# Altium PCB Enigma Rev B.PcbDoc (part 1 of 8) (continued)
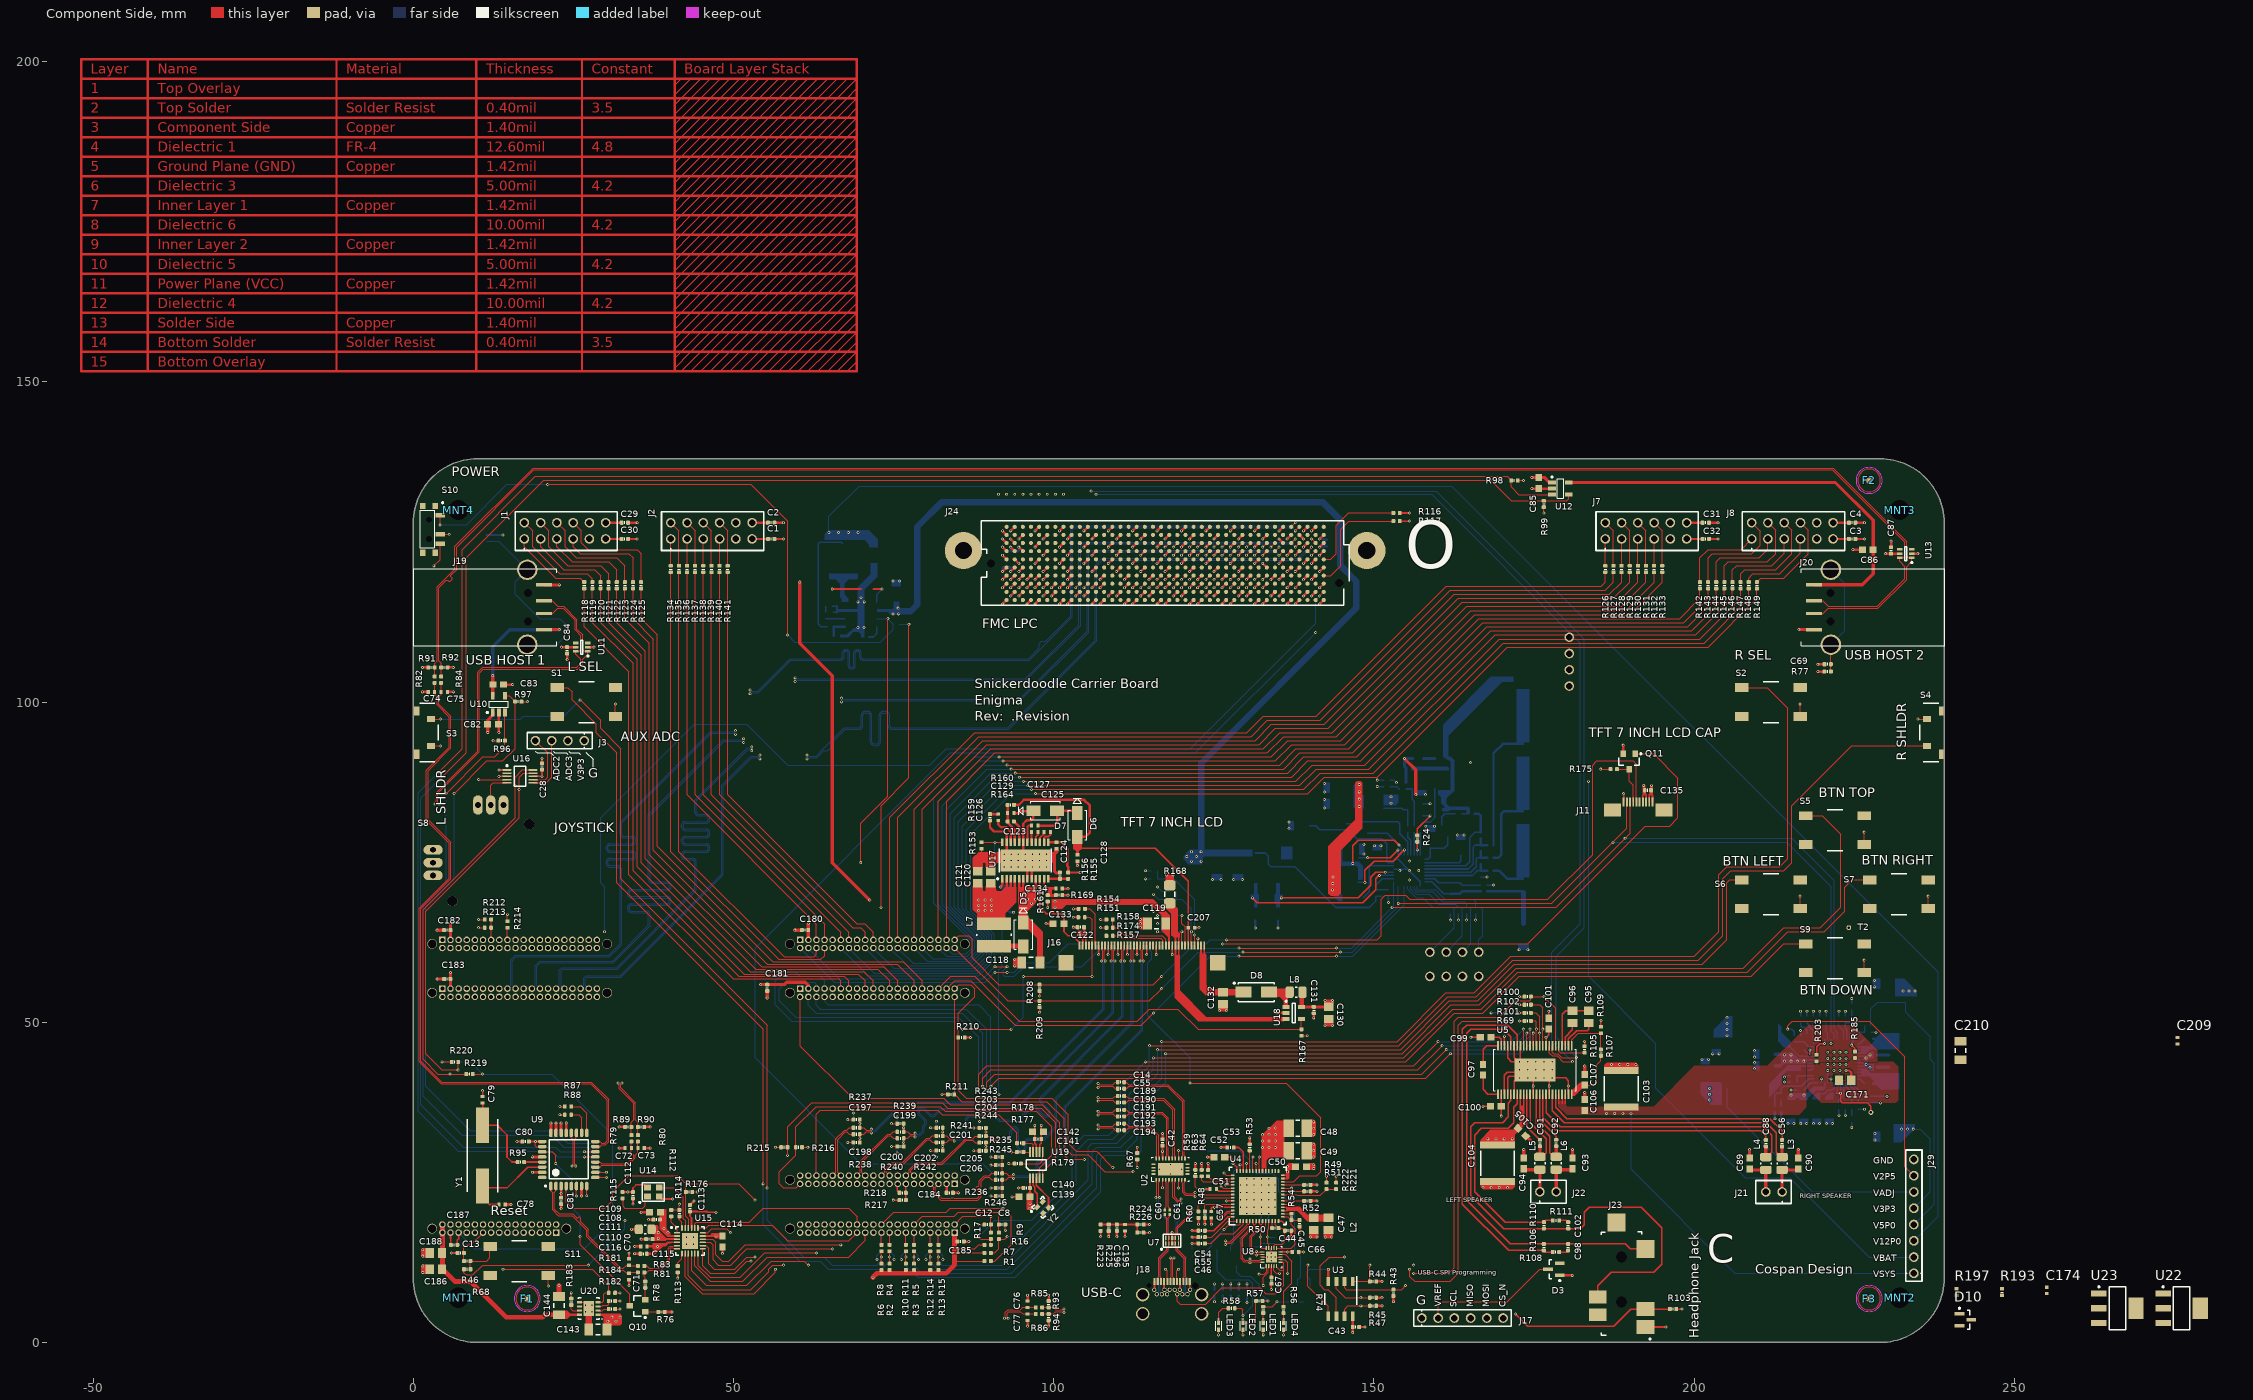
[diagram p0: Component Side view]
## Components (designator, comment, footprint, x,y, rotation, side; value= is the part's Value field where it differs from the comment) (continued)
C152 "C_0805_22µF_35V" C_ERA-0805 228.62,43.919 r90 bottom
C153 "10µF" C_ERA-0805 230.444,32.131 r0 bottom
C154 "C_0402_3.3nF_50V" C_ERA-0402 224.62,34.919 r90 bottom
C155 "C_0402_36pF" C_0402 223.62,36.919 r90 bottom
C156 "C_0402_68nF" C_0402 222.62,36.919 r90 bottom
C157 "0.1uF" C_0402 217.27,42.519 r0 bottom
C158 "C_0805_22µF_35V" C_ERA-0805 211.67,45.019 r0 bottom
C159 "10µF" C_ERA-0805 201.774,41.981 r270 bottom
C160 "C_0402_3.3nF_50V" C_ERA-0402 213.62,36.419 r90 bottom
C161 "12pF" C_ERA-0402 212.62,36.419 r90 bottom
C162 "C_0402_68nF" C_0402 216.62,39.419 r0 bottom
C163 "0.1uF" C_0402 217.12,45.219 r90 bottom
C164 "C_0805_22µF_35V" C_ERA-0805 211.67,43.219 r0 bottom
C165 "10µF" C_ERA-0805 203.454,47.31 r90 bottom
C166 "C_0402_3.3nF_50V" C_ERA-0402 216.62,50.419 r270 bottom
C167 "47pF" C_0402 217.62,50.419 r270 bottom
C168 "C_0402_68nF" C_0402 218.62,50.419 r270 bottom
C169 "C_0805_22µF_35V" C_ERA-0805 215.12,36.419 r90 bottom
C170 "C_0805_22µF_35V" C_ERA-0805 217.12,36.419 r90 bottom
C171 "4.7µF" C_ERA-0805 223.57,40.919 r180 top
C172 "4.7µF" C_ERA-0805 221.12,36.419 r90 bottom
C173 "4.7µF" C_ERA-0805 219.12,36.419 r90 bottom
C174 "1.0uF" C_ERA-0402 255.064,8.128 r90 top
C180 "0.1uF" C_0402 61.161,64.389 r0 top
C181 "0.1uF" C_0402 55.245,55.38 r90 top
C182 "0.1uF" C_0402 5.281,64.389 r0 top
C183 "0.1uF" C_0402 5.281,56.769 r0 top
C184 "0.1uF" C_0402 83.751,23.368 r180 top
C185 "0.1uF" C_0402 85.463,15.748 r180 top
C186 "C_0805_22µF_35V" C_ERA-0805 3.495,11.43 r0 top
C187 "0.1uF" C_0402 6.35,15.24 r0 top
C188 "C_0805_22µF_35V" C_ERA-0805 3.495,13.97 r0 top
C189 "0.1uF" C_0402 110.49,38.481 r0 top
C190 "0.1uF" C_0402 110.49,37.465 r0 top
C191 "0.1uF" C_0402 110.49,36.322 r0 top
C192 "0.1uF" C_0402 110.49,35.306 r0 top
C193 "0.1uF" C_0402 110.49,34.163 r0 top
C194 "0.1uF" C_0402 110.49,33.147 r0 top
C195 "1.0uF" C_ERA-0402 111.125,17.915 r90 top
C196 "0.1uF" C_0402 109.855,17.915 r90 top
C197 "0.1uF" C_0402 69.207,33.528 r180 top
C198 "0.1uF" C_0402 69.207,32.512 r180 top
C199 "0.1uF" C_0402 76.065,32.893 r180 top
C200 "0.1uF" C_0402 76.065,31.877 r180 top
C201 "0.1uF" C_0402 82.161,32.258 r180 top
C202 "0.1uF" C_0402 82.161,31.242 r180 top
C203 "0.1uF" C_0402 88.892,32.22 r180 top
C204 "0.1uF" C_0402 88.892,31.204 r180 top
C205 "0.1uF" C_0402 91.432,26.416 r180 top
C206 "0.1uF" C_0402 91.432,25.4 r180 top
C207 "C_0402_0.22UF_50V" C_ERA-0402 121.5,64.77 r0 top
C209 "1.0uF" C_ERA-0402 275.511,47.117 r90 top
C210 "10µF" CAP-1206 241.602,45.593 r90 top
D1 "BAT54" SOT23 161.544,79.883 r270 bottom
D2 "BAT54" SOT23 144.78,81.026 r0 bottom
D3 "BZX84C16-7-F" SOT23 178.09,11.43 r180 top
D4 "D_SCHOTT_30V_2A_XDFN" DSN2_0603 130.175,7.615 r270 bottom
D5 "D_B340A-13-F" SMA 95.25,63.703 r270 top
D6 "D_B340A-13-F" SMA 103.685,80.801 r270 top
D7 "D_B340A-13-F" SMA 98.679,83.058 r0 top
D8 "B1100-13-F" DIOM5226X23L 131.635,54.705 r0 top
D10 "BAT54" SOT23 242.364,3.556 r0 top
F1 "Fudicial" "FIDUCIAL ROUND" 17.78,6.858 r0 top locked
F2 "Fudicial" "FIDUCIAL ROUND" 227.33,134.62 r0 top locked
F3 "Fudicial" "FIDUCIAL ROUND" 227.33,6.858 r0 top locked
J1 "PMOD" PMOD 17.32,125.476 r0 top locked
J2 "PMOD" PMOD 40.18,125.476 r0 top locked
J3 "J_HDR1X4_THRHOLE_VERT_FEMALE" HDR_1X4_FEMALE 26.67,93.98 r180 top
J4 "J_SNICKERDOODLE_JA1" TFM12001-X-D-A 72.456,62.23 r0 bottom locked
J5 "J_SNICKERDOODLE_JA2" TFM12001-X-D-A 72.456,54.61 r0 bottom locked
J6 "J_SNICKERDOODLE_JB1" TFM12001-X-D-A 16.576,62.23 r0 bottom locked
J7 "PMOD" PMOD 186.137,125.476 r0 top locked
J8 "PMOD" PMOD 208.997,125.476 r0 top locked
J9 "J_HDR1X4_THRHOLE_VERT" HDR_1X4 166.37,60.96 r180 bottom
J10 "J_SNICKERDOODLE_JB2" TFM12001-X-D-A 16.576,54.61 r0 bottom locked
J11 "J_FFC_CONN_RA_10PIN" ER-CON10HT-1_BTM 191.25,85.09 r0 top locked
J12 "J_HDR1X4_THRHOLE_VERT" HDR_1X4 180.509,102.51 r90 bottom
J13 "J_LIPO_BAT_CONNECTOR" HDR_1X2_LIPO_BATTERY 180.509,92.477 r90 bottom
J14 "J_LIPO_BAT_CONNECTOR" HDR_1X2_LIPO_BATTERY 180.509,81.952 r90 bottom
J15 "J_LIPO_BAT_CONNECTOR" HDR_1X2_LIPO_BATTERY 180.509,71.429 r90 bottom
J16 "J_FFC_CONN_RA_40PIN" ER-CON40HT-1_BTM 113.75,62.59 r0 top locked
J17 "J_HDR1X6_THRHOLE_VERT" HDR_1X6 157.48,3.81 r0 top
J18 "J_DX07S024XJ1R1100" DX07S024XJ1R1100 114.887,8.865 r0 top
J19 "J_USB_A" USB_A 17.78,114.816 r270 top
J20 "J_USB_A" USB_A 221.361,114.816 r90 top
J21 "J_HDR1X2_JUMPER" HDR_1X2 213.741,23.495 r180 top
J22 "J_HDR1X2_JUMPER" HDR_1X2 175.923,23.53 r0 top
J23 "Headphone Jack" HEADPHONE_JACK 193.755,1.813 r90 top
J24 "ASP-134486-01" BTB-SM1-27-2V400F 117.396,121.666 r0 top locked
J25 "J_SNICKERDOODLE_JC1" TFM12001-X-D-A 72.456,25.4 r180 bottom locked
J26 "J_SNICKERDOODLE_J3" TFM12001-X-D-A 72.456,17.78 r180 bottom locked
J27 "J_SNICKERDOODLE_J2" TFM11501-X-D-A 13.401,17.78 r180 bottom locked
J28 "J_HDR1X4_THRHOLE_VERT" HDR_1X4 166.37,57.15 r180 bottom
J29 "J_HDR1X8_THRHOLE_VERT_RECPT" "HDR_1X8 - FEMALE" 234.315,10.795 r90 top
L1 "L_IHLP2020BZER2R2M11" IHLP-2020BZ 140.084,76.479 r0 bottom
L2 "L_FB_21OHM_100MHZ" C_ERA-0805 142.9,18.5 r90 top
L3 "CBC2016T220K" L_0806 213.741,27.94 r90 top
L4 "CBC2016T220K" L_0806 211.201,27.94 r90 top
L5 "CBC2016T220K" L_0806 175.923,27.975 r90 top
L6 "CBC2016T220K" L_0806 178.463,27.975 r90 top
L7 "4.7uH" INDP744042006 90.678,63.627 r270 top
L8 "CBC2016T220K" L_0806 137.835,54.705 r0 top
L9 "L_MPLC0730L4R7" KEM_L9004_MPLC 233.045,50.194 r270 bottom
L10 "L_MPLC0730L4R7" KEM_L9004_MPLC 232.791,37.973 r90 bottom
L11 "L_MPLC0730L4R7" KEM_L9004_MPLC 207.772,38.735 r0 bottom
L12 "L_MPLC0730L4R7" KEM_L9004_MPLC 209.804,49.276 r0 bottom
LED1 "LED_GRN_0402" DIOM1005X07L_GREEN 132.715,2.54 r270 top
LED2 "LED_BLUE_0402" DIOM1005X07L_BLUE 129.54,2.54 r270 top
LED3 "LED_ORN_0402" DIOM1005X07L_ORANGE 125.73,2.54 r270 top
LED4 "LED_RED_0402" DIOM1005X07L_RED 135.89,2.54 r270 top
MNT1 "Mounting Hole" MNT_4-40 7,7 r0 top
MNT2 "Mounting Hole" MNT_4-40 232.141,7 r0 top
MNT3 "Mounting Hole" MNT_4-40 232.141,130 r0 top
MNT4 "Mounting Hole" MNT_4-40 7,130 r0 top locked
Q1 "N-Channel Nex_FET" "Q_TDSON-8 NexFET" 160.496,87.864 r90 bottom
Q2 "N-Channel Nex_FET" "Q_TDSON-8 NexFET" 156.946,87.864 r90 bottom
Q3 "NFET" SOT-23A 156.471,83.179 r90 bottom
Q4 "N-Channel Nex_FET" "Q_TDSON-8 NexFET" 150.076,84.404 r180 bottom
Q5 "N-Channel Nex_FET" "Q_TDSON-8 NexFET" 146.071,72.829 r180 bottom
Q6 "N-Channel Nex_FET" "Q_TDSON-8 NexFET" 146.111,76.679 r180 bottom
Q7 "NFET" SOT-23A 139.065,7.55 r180 bottom
Q8 "NFET" SOT-23A 128.6,13.15 r180 bottom
Q9 "NFET" SOT-23A 124.3,14.5 r270 bottom
Q10 "NPN" SOT-23A 34.982,5.715 r270 top
Q11 "NFET" SOT-23A 189.865,90.735 r0 top
R1 "R_0402_10.0K" R_0402 89.67,12.7 r0 top
R2 "R_0402_100K" R_0402 74.361,11.803 r90 top
R3 "R_0402_100K" R_0402 78.171,11.803 r90 top
R4 "R_0402_10.0K" R_0402 74.361,14.74 r270 top
R5 "R_0402_10.0K" R_0402 78.171,14.74 r270 top
R6 "R_0402_100K" R_0402 73.091,11.803 r90 top
R7 "R_0402_100K" R_0402 89.67,13.97 r0 top
R8 "R_0402_10.0K" R_0402 73.091,14.74 r270 top
R9 "R_0402_10.0K" R_0402 91.44,16.645 r270 top
R10 "R_0402_100K" R_0402 76.901,11.803 r90 top
R11 "R_0402_10.0K" R_0402 76.901,14.74 r270 top
R12 "R_0402_100K" R_0402 80.711,11.803 r90 top
R13 "R_0402_100K" R_0402 81.981,11.803 r90 top
R14 "R_0402_10.0K" R_0402 80.711,14.74 r270 top
R15 "R_0402_10.0K" R_0402 81.981,14.74 r270 top
R16 "R_0402_100K" R_0402 89.67,15.24 r0 top
R17 "R_0402_10.0K" R_0402 90.17,16.645 r270 top
R18 "R_0402_10M" R_0402 160.021,83.179 r180 bottom
R19 "R_0402_10M" R_0402 155.021,86.929 r270 bottom
R20 "R_0402_10.0" R_0402 163.195,82.55 r180 bottom
R21 "R_0402_100.0" R_0402 165.227,82.55 r0 bottom
R22 "5.11k Ohms" R_0402 157.271,80.179 r270 bottom
R23 "5.11k Ohms" R_0402 156.271,80.179 r270 bottom
R24 "R_0402_10.0K" R_0402 156.771,78.679 r270 top
R25 "R_0402_100.0" R_0402 168.176,77.679 r180 bottom
R26 "R_0402_10M" R_0402 153.921,83.929 r270 bottom
R27 "R_0402_100.0K" R_0402 152.021,87.81 r180 bottom
R28 "1.0 Ohms" R_0402 153.921,85.929 r90 bottom
R29 "R_0402_100.0" R_0402 168.176,75.679 r180 bottom
R30 "5.11k Ohms" R_0402 155.271,80.179 r90 bottom
R31 "R_0402_100.0" R_0402 168.176,73.679 r180 bottom
R32 "R_1206_10" R_1206 146.921,69.429 r180 bottom
R33 "0.0 Ohms" R_0402 167.156,70.429 r0 bottom
R34 "R_1206_0.005" R_1206 173.355,64.005 r270 bottom
R35 "0.0 Ohms" R_0402 167.156,71.429 r0 bottom
R36 "0.01 OHM" R_LVK25_0.003 133.271,74.279 r0 bottom
R37 "R_0402_330K" R_0402 151.271,70.179 r90 bottom
R38 "R_0402_NTC_10.0K" R_0402 165.862,67.445 r270 bottom
R39 "R_0402_NTC_10.0K" R_0402 164.465,67.445 r270 bottom
R40 "R_0402_NTC_10.0K" R_0402 163.195,67.445 r270 bottom
R41 "R_0402_NTC_10.0K" R_0402 161.925,67.445 r270 bottom
R42 "R_0402_35.7K" R_0402 152.271,70.179 r270 bottom
R43 "3.3k Ohms" R_0402 153.035,7.755 r90 top
R44 "3.3k Ohms" R_0402 149.86,9.525 r180 top
R45 "3.3k Ohms" R_0402 149.86,6.985 r180 top
R46 "R_0402_10.0K" R_0402 8.39,12.7 r0 top
R47 "3.3k Ohms" R_0402 149.86,5.715 r180 top
R48 "R_0402_15.0K" R_0402 123.6,19.95 r90 top
R49 "1.0M Ohms" R_0402 139.6,24.6 r180 top
R50 "0.0 Ohms" R_0402 134.6,17.85 r0 top
R51 "1.0M Ohms" R_0402 139.6,23.6 r180 top
R52 "1.0M Ohms" R_0402 139.6,22.1 r180 top
R53 "1.0M Ohms" R_0402 130.6,30.45 r270 top
R54 "0.0 Ohms" R_0402 137.1,19.6 r270 top
R55 "1.0M Ohms" R_0402 123.1,16.45 r0 top
R56 "1.0k Ohms" R_0402 132.715,5.08 r90 top
R57 "1.0k Ohms" R_0402 132.088,6.477 r0 top
R58 "1.0k Ohms" R_0402 127.762,5.334 r0 top
R59 "3.3k Ohms" R_0402 122.1,26.45 r270 top
R60 "R_0402_100K" R_0402 122.6,19.95 r90 top
R61 "1.0M Ohms" R_0402 139.6,24.6 r0 bottom
R62 "R_0402_10.0K" R_0402 139.065,10.287 r0 bottom
R63 "R_0402_10.0K" R_0402 123.1,26.45 r270 top
R64 "R_0402_10.0K" R_0402 124.1,26.45 r270 top
R65 "1.0M Ohms" R_0402 135.1,15.45 r180 bottom
R66 "1.0M Ohms" R_0402 135.1,16.45 r180 bottom
R67 "R_0402_10.0K" R_0402 113.03,29.075 r270 top
R68 "R_0402_100K" R_0402 8.39,11.43 r0 top
R69 "R_0402_10.0K" R_0402 174.018,50.2 r0 top
R70 "R_0402_10.0K" R_0402 128.6,16.45 r0 bottom
R71 "1.0M Ohms" R_0402 132.3,18.45 r90 bottom
R72 "1.0M Ohms" R_0402 133.4,18.45 r90 bottom
R73 "R_0402_10.0K" R_0402 121.6,14.05 r90 bottom
R74 "1.0k Ohms" R_0402 135.89,5.08 r90 top
R75 "1.0M Ohms" R_0402 11.43,125.595 r90 bottom
R76 "R_0402_15.0K" R_0402 38.727,4.765 r0 top
R77 "1.0M Ohms" R_0402 220.861,104.775 r180 top
R78 "R_0402_15.0K" R_0402 36.195,9.025 r90 top
R79 "R_0402_30" R_0402 34.036,31.869 r90 top
R80 "R_0402_30" R_0402 35.052,31.869 r90 top
R81 "R_0402_30" R_0402 35.56,10.922 r180 top
R82 "R_0402_30" R_0402 3.302,103.505 r90 top
R83 "R_0402_30" R_0402 35.56,11.938 r180 top
R84 "R_0402_30" R_0402 4.318,103.505 r90 top
R85 "R_0402_30" R_0402 97.68,5.461 r0 top
R86 "R_0402_30" R_0402 97.68,4.445 r0 top
R87 "R_0402_10.0K" R_0402 24.13,36.83 r0 top
R88 "R_0402_10.0K" R_0402 24.13,35.56 r0 top
R89 "R_0402_15.0K" R_0402 33.536,33.655 r0 top
R90 "R_0402_15.0K" R_0402 35.552,33.655 r180 top
R91 "R_0402_15.0K" R_0402 2.802,105.41 r0 top
R92 "R_0402_15.0K" R_0402 4.818,105.41 r180 top
R93 "R_0402_15.0K" R_0402 99.205,5.961 r270 top
R94 "R_0402_15.0K" R_0402 99.205,3.945 r90 top
R95 "R_0402_15.0K" R_0402 16.772,28.175 r0 top
R96 "1.0k Ohms" R_0402 13.785,93.98 r180 top
R97 "R_0402_15.0K" R_0402 16.375,100.076 r0 top
R98 "1.0k Ohms" R_0402 171.95,134.62 r0 top
R99 "R_0402_15.0K" R_0402 176.53,130.945 r270 top
R100 "R_0402_10.0K" R_0402 174.018,54.01 r0 top
R101 "R_0402_10.0K" R_0402 174.018,51.47 r0 top
R102 "R_0402_10.0K" R_0402 174.018,52.74 r0 top
R103 "R_0402_10.0K" R_0402 196.715,5.213 r180 top
R104 "R_0402_10.0K" R_0402 169.883,51.47 r180 bottom
R105 "R_0402_10.0K" R_0402 182.908,45.755 r90 top
R106 "R_0402_10.0K" R_0402 176.53,14.873 r270 top
R107 "R_0402_68.1K" R_0402 185.448,45.255 r90 top
R108 "5.6k Ohms" R_0402 178.427,14.103 r180 top
R109 "18.0k Ohms" R_0402 185.448,48.795 r90 top
R110 "R_0402_10.0K" R_0402 176.538,18.28 r90 top
R111 "5.6k Ohms" R_0402 178.435,19.05 r180 top
R112 "0.0 Ohms" R_0402 40.259,20.185 r270 top
R113 "R_0402_100K" R_0402 41.275,11.438 r270 top
R114 "R_0402_8.06K" R_0402 41.529,20.185 r90 top
R115 "R_0402_100K" R_0402 32.647,22.987 r90 top
R116 "R_0402_10.0K" R_0402 153.535,129.54 r180 top
R117 "R_0402_10.0K" R_0402 153.535,128.27 r180 top
R118 "R_0402_200" R_0402 26.67,118.245 r90 top
R119 "R_0402_200" R_0402 27.94,118.245 r270 top
R120 "R_0402_200" R_0402 29.21,118.245 r90 top
R121 "R_0402_200" R_0402 30.48,118.245 r270 top
R122 "R_0402_200" R_0402 31.75,118.245 r90 top
R123 "R_0402_200" R_0402 33.02,118.245 r270 top
R124 "R_0402_200" R_0402 34.29,118.245 r90 top
R125 "R_0402_200" R_0402 35.56,118.245 r270 top
R126 "R_0402_200" R_0402 186.137,120.785 r90 top
R127 "R_0402_200" R_0402 187.407,120.785 r270 top
R128 "R_0402_200" R_0402 188.677,120.785 r90 top
R129 "R_0402_200" R_0402 189.947,120.785 r270 top
R130 "R_0402_200" R_0402 191.217,120.785 r90 top
R131 "R_0402_200" R_0402 192.487,120.785 r270 top
R132 "R_0402_200" R_0402 193.757,120.785 r90 top
R133 "R_0402_200" R_0402 195.027,120.785 r270 top
R134 "R_0402_200" R_0402 40.18,120.785 r90 top
R135 "R_0402_200" R_0402 41.45,120.785 r270 top
R136 "R_0402_200" R_0402 42.72,120.785 r90 top
R137 "R_0402_200" R_0402 43.99,120.785 r270 top
R138 "R_0402_200" R_0402 45.26,120.785 r90 top
R139 "R_0402_200" R_0402 46.53,120.785 r270 top
R140 "R_0402_200" R_0402 47.8,120.785 r90 top
R141 "R_0402_200" R_0402 49.07,120.785 r270 top
R142 "R_0402_200" R_0402 200.917,118.245 r90 top
R143 "R_0402_200" R_0402 202.187,118.245 r270 top
R144 "R_0402_200" R_0402 203.457,118.245 r90 top
R145 "R_0402_200" R_0402 204.727,118.245 r270 top
R146 "R_0402_200" R_0402 205.997,118.245 r90 top
R147 "R_0402_200" R_0402 207.267,118.245 r270 top
R148 "R_0402_200" R_0402 208.537,118.245 r90 top
R149 "R_0402_200" R_0402 209.807,118.245 r270 top
R150 "R_0402_412K" R_0402 93.845,69.215 r180 bottom
R151 "4.99k" R_0402 104.335,66.405 r0 top
R152 "56.2k" R_0402 92.71,68.072 r270 bottom
R153 "4.99k" R_0402 88.735,77.605 r90 top
R154 "R_0402_10.0K" R_0402 104.375,67.705 r0 top
R155 "R_0402_680K" R_0402 102.235,72.89 r270 top
R156 "R_0402_49.9K" R_0402 100.965,72.89 r90 top
R157 "R_0402_10.0K" R_0402 108.72,63.5 r0 top
R158 "1.0k Ohms" R_0402 108.72,66.04 r180 top
R159 "R_0402_15.0K" R_0402 90.035,82.005 r270 top
R160 "R_0402_200.0K" R_0402 93.285,83.955 r180 top
R161 "R_0402_732k" R_0402 99.06,69.35 r90 top
R162 "1.0k Ohms" R_0402 118.626,64.135 r180 bottom
R163 "R_0402_100K" R_0402 118.626,66.675 r0 bottom
R164 "R_0402_41.2K" R_0402 93.285,81.355 r0 top
R165 "R_0402_100K" R_0402 118.626,69.215 r0 bottom
R166 "R_0402_100K" R_0402 115.705,72.39 r0 bottom
R167 "4.99k" R_0402 138.685,48.395 r90 top
R168 "R_1206_2" R_1206 118.11,69.98 r90 top
R169 "R_0402_499k" R_0402 100.83,69.85 r0 top
R170 "1.0k Ohms" R_0402 115.705,73.66 r0 bottom
R171 "1.0k Ohms" R_0402 118.626,70.485 r0 bottom
R172 "1.0k Ohms" R_0402 118.626,67.945 r0 bottom
R173 "R_0402_100K" R_0402 118.626,65.405 r0 bottom
R174 "R_0402_100K" R_0402 108.72,64.77 r0 top
R175 "R_0402_10.0K" R_0402 187.46,89.535 r180 top
R176 "R_0402_10.0K" R_0402 43.045,23.495 r0 top
R177 "R_0402_33" R_0402 94.75,29.736 r180 top
R178 "R_0402_33" R_0402 94.75,31.115 r180 top
R179 "R_0402_33" R_0402 94.369,27.94 r180 top
R180 "R_0402_10.0K" R_0402 75.4,112.165 r0 bottom
R181 "R_0402_10.0K" R_0402 30.988,7.747 r0 top
R182 "R_0402_100K" R_0402 30.988,5.207 r180 top
R183 "R_0402_100K" R_0402 24.638,6.342 r270 top
R184 "110K" R_0402 30.988,6.477 r0 top
R185 "4.53k Ohms" R_0402 225.12,44.919 r90 top
R186 "R_0402_9.53K" R_0402 224.62,50.419 r90 bottom
R187 "R_0402_118K" R_0402 227.12,49.419 r180 bottom
R188 "R_0402_22.0K" R_0402 227.12,48.419 r0 bottom
R189 "R_0402_10.0K" R_0402 227.12,38.419 r180 bottom
R190 "R_0402_6.49k" R_0402 224.62,36.919 r90 bottom
R191 "R_0402_69.8K" R_0402 227.12,37.419 r180 bottom
R192 "R_0402_22.0K" R_0402 225.62,36.919 r270 bottom
R193 "R_0402_16.2K" R_0402 248.079,7.874 r90 top
R194 "R_0402_10.2k" R_0402 213.62,38.419 r90 bottom
R195 "R_0402_36.0K" R_0402 215.62,41.669 r0 bottom
R196 "R_0402_22.0K" R_0402 215.62,40.669 r180 bottom
R197 "R_0402_10.0K" R_0402 240.967,7.874 r90 top
R198 "R_0402_10.2k" R_0402 218.12,48.169 r0 bottom
R199 "R_0402_47.0K" R_0402 215.62,47.419 r270 bottom
R200 "R_0402_22.0K" R_0402 216.62,47.419 r90 bottom
R202 "R_0402_442k" R_0402 220.62,50.419 r90 bottom
R203 "R_0402_10.0K" R_0402 219.12,44.419 r90 top
R204 "R_0402_10.0K" R_0402 219.62,50.419 r270 bottom
R208 "2.2k Ohms" R_0402 97.79,55.38 r90 top
R209 "2.2k Ohms" R_0402 97.79,52.84 r90 top
R210 "2.2k Ohms" R_0402 85.59,47.625 r180 top
R211 "2.2k Ohms" R_0402 83.955,38.735 r0 top
R212 "R_0402_10.0K" R_0402 11.631,66.04 r0 top
R213 "R_0402_10.0K" R_0402 11.631,64.77 r0 top
R214 "R_0402_10.0K" R_0402 14.671,65.27 r90 top
R215 "2.2k Ohms" R_0402 57.92,30.48 r0 top
R216 "2.2k Ohms" R_0402 60.19,30.48 r180 top
R217 "R_0402_10.0K" R_0402 76.401,22.225 r180 top
R218 "R_0402_10.0K" R_0402 76.401,23.368 r0 top
R219 "2.2k Ohms" R_0402 8.755,41.91 r180 top
R220 "2.2k Ohms" R_0402 6.485,43.815 r0 top
R221 "R_0402_10.0K" R_0402 144.1,24.45 r90 top
R222 "R_0402_10.0K" R_0402 142.6,24.45 r90 top
R223 "R_0402_2.2K" R_0402 107.315,17.915 r90 top
R224 "R_0402_49.9" R_0402 113.53,18.415 r180 top
R225 "1.5k Ohms" R_0402 108.585,17.915 r270 top
R226 "R_0402_49.9" R_0402 113.53,17.145 r0 top
R227 "R_0402_10.0K" R_0402 69.207,34.798 r0 bottom
R228 "R_0402_10.0K" R_0402 69.207,31.242 r0 bottom
R229 "R_0402_10.0K" R_0402 76.049,34.163 r0 bottom
R230 "R_0402_10.0K" R_0402 76.049,30.607 r0 bottom
R231 "R_0402_10.0K" R_0402 82.161,33.528 r0 bottom
R232 "R_0402_10.0K" R_0402 82.161,29.972 r0 bottom
R233 "R_0402_10.0K" R_0402 88.892,33.49 r0 bottom
R234 "R_0402_10.0K" R_0402 88.892,29.934 r0 bottom
R235 "R_0402_10.0K" R_0402 91.448,28.956 r0 top
R236 "R_0402_10.0K" R_0402 91.448,24.13 r0 top
R237 "R_0402_10.0K" R_0402 69.207,34.798 r180 top
R238 "R_0402_10.0K" R_0402 69.207,31.242 r180 top
R239 "R_0402_10.0K" R_0402 76.049,34.163 r180 top
R240 "R_0402_10.0K" R_0402 76.049,30.607 r180 top
R241 "R_0402_10.0K" R_0402 82.161,33.528 r180 top
R242 "R_0402_10.0K" R_0402 82.161,29.972 r180 top
R243 "R_0402_10.0K" R_0402 88.892,33.49 r180 top
R244 "R_0402_10.0K" R_0402 88.892,29.934 r180 top
R245 "R_0402_10.0K" R_0402 91.448,27.686 r180 top
R246 "R_0402_10.0K" R_0402 91.448,22.86 r180 top
S1 "S_TACTILE_1571563_2_BUTTON" TACTILE_1571563_2 27,100 r0 top locked
S2 "S_TACTILE_1571563_2_BUTTON" TACTILE_1571563_2 212,100 r0 top locked
S3 "S_TACTILE_ RA_TL3330AF130QG_BUTTON" TL3330AF130QG 1.905,95.25 r270 top
S4 "S_TACTILE_ RA_TL3330AF130QG_BUTTON" TL3330AF130QG 237.236,95.25 r90 top
S5 "S_TACTILE_1571563_2_BUTTON" TACTILE_1571563_2 222,80 r0 top locked
S6 "S_TACTILE_1571563_2_BUTTON" TACTILE_1571563_2 212,70 r0 top locked
S7 "S_TACTILE_1571563_2_BUTTON" TACTILE_1571563_2 232,70 r0 top locked
S8 "S_JOYSTICK_ANALOG_XY" JOYSTICK_ANALOG_MINITHM 12.065,74.93 r0 top locked
S9 "S_TACTILE_1571563_2_BUTTON" TACTILE_1571563_2 222,60 r0 top locked
S10 "Micro Slide Switch" PCM_SMD_SWITCH 2.413,126.975 r270 top
S11 "S_TACTILE_1571563_2_BUTTON" TACTILE_1571563_2 16.51,12.7 r0 top
T1 "TEST_POINT_SMALL" TestPointSmall 227.62,35.919 r180 bottom
T2 "TEST_POINT_SMALL" TestPointSmall 224.155,64.77 r0 top
U1 "U_BQ40Z60RHBR" RHB0032E 155.521,73.679 r180 bottom locked
U2 "U_HD3SS460RHRR" RHR0028A 118.237,27.051 r90 top
U3 "U_W25Q80DVSNIG" "SOIC-8 - TI" 144.78,6.8 r270 top
U4 "PartNumber" RWE0056B 131.85,22.85 r90 top
U5 "U_TAS5760LDDCAR" DCA48_6P4X3P6 175.133,42.545 r270 top
U6 "USB_TVS" TVS_DIODE_USB3.0-10 118.491,15.875 r270 bottom
U7 "USB_TVS" TVS_DIODE_USB3.0-10 118.491,15.875 r90 top
U8 "U_TPD8S300RUK" RUK0020B 133.985,13.335 r90 top
U9 "U_TI-TUSB2036-LQFP_VF-32" VF32_L 24.257,28.575 r90 top
U10 "USB OVP/UVP" SOT95P280X90-5N 13.335,99.695 r90 top
U11 "USB TVS" SC70-LT6_N 26.289,108.585 r180 top
U12 "USB OVP/UVP" SOT95P280X90-5N 179.11,133.35 r0 top
U13 "USB TVS" SC70-LT6_N 233.045,123.19 r180 top
U14 "U_OSC_24MHZ_SMD_1.8V" KC2520B 37.465,23.495 r0 top
U15 "U_USB3315C" QFN50P400X400X100_HS-25N 43.18,15.875 r0 top
U16 "U_TI-ADS1015_1115-10" TI-DGS10_L 16.63,88.4 r0 top
U17 "U_TPS65105PWPR" PWP0024B_L 95.56,75.255 r90 top
U18 "U_LM3410XMFE" MF05A_N 137.485,51.455 r0 top
U19 "SI5351A-B-GT" SI5351 97.282,27.686 r90 top
U20 "U_FPF2700MPX" SON65P300X80_HS-9N 27.373,5.293 r180 top
U21 "U_TPS65400RGZR" RGZ0048B 222.12,43.919 r180 bottom
U22 "ADJ Regulator" SOT230P700X180-4N 276.146,5.334 r0 top
U23 "ADJ Regulator" SOT230P700X180-4N 266.113,5.334 r0 top
Y1 "6.00MHz Crystal" HC49 10.795,29.159 r270 top
Y2 "XRCGB27M000F2P00R0" XTAL_2.0X1.6MM 98.298,21.082 r315 top

## Footprints (in the part's own frame and the unit in brackets; to place one, negate y for a bottom-side part, rotate by r counter-clockwise, add the part's x,y. Pads: shape width x height; smd on the part's side, far side on the other; paste and mask are expansions set on the pad)
BTB-SM1-27-2V400F [mm] "Board-to-Board Connector, Vertical, 10-Row, Pitch 1.27mm, 400-Position, Female"
  round 0.64 smd: A1(24.765,-5.715) A2(23.495,-5.715) A3(22.225,-5.715) A4(20.955,-5.715) A5(19.685,-5.715) A6(18.415,-5.715) A7(17.145,-5.715) A8(15.875,-5.715) A9(14.605,-5.715) A10(13.335,-5.715) A11(12.065,-5.715) A12(10.795,-5.715) A13(9.525,-5.715) A14(8.255,-5.715) A15(6.985,-5.715) A16(5.715,-5.715) A17(4.445,-5.715) A18(3.175,-5.715) A19(1.905,-5.715) A20(0.635,-5.715) A21(-0.635,-5.715) A22(-1.905,-5.715) A23(-3.175,-5.715) A24(-4.445,-5.715) A25(-5.715,-5.715) A26(-6.985,-5.715) A27(-8.255,-5.715) A28(-9.525,-5.715) A29(-10.795,-5.715) A30(-12.065,-5.715) A31(-13.335,-5.715) A32(-14.605,-5.715) A33(-15.875,-5.715) A34(-17.145,-5.715) A35(-18.415,-5.715) A36(-19.685,-5.715) A37(-20.955,-5.715) A38(-22.225,-5.715) A39(-23.495,-5.715) A40(-24.765,-5.715) B1(24.765,-4.445) B2(23.495,-4.445) B3(22.225,-4.445) B4(20.955,-4.445) B5(19.685,-4.445) B6(18.415,-4.445) B7(17.145,-4.445) B8(15.875,-4.445) B9(14.605,-4.445) B10(13.335,-4.445) B11(12.065,-4.445) B12(10.795,-4.445) B13(9.525,-4.445) B14(8.255,-4.445) B15(6.985,-4.445) B16(5.715,-4.445) B17(4.445,-4.445) B18(3.175,-4.445) B19(1.905,-4.445) B20(0.635,-4.445) B21(-0.635,-4.445) B22(-1.905,-4.445) B23(-3.175,-4.445) B24(-4.445,-4.445) B25(-5.715,-4.445) B26(-6.985,-4.445) B27(-8.255,-4.445) B28(-9.525,-4.445) B29(-10.795,-4.445) B30(-12.065,-4.445) B31(-13.335,-4.445) B32(-14.605,-4.445) B33(-15.875,-4.445) B34(-17.145,-4.445) B35(-18.415,-4.445) B36(-19.685,-4.445) B37(-20.955,-4.445) B38(-22.225,-4.445) B39(-23.495,-4.445) B40(-24.765,-4.445) C1(24.765,-3.175) C2(23.495,-3.175) C3(22.225,-3.175) C4(20.955,-3.175) C5(19.685,-3.175) C6(18.415,-3.175) C7(17.145,-3.175) C8(15.875,-3.175) C9(14.605,-3.175) C10(13.335,-3.175) C11(12.065,-3.175) C12(10.795,-3.175) C13(9.525,-3.175) C14(8.255,-3.175) C15(6.985,-3.175) C16(5.715,-3.175) C17(4.445,-3.175) C18(3.175,-3.175) C19(1.905,-3.175) C20(0.635,-3.175) C21(-0.635,-3.175) C22(-1.905,-3.175) C23(-3.175,-3.175) C24(-4.445,-3.175) C25(-5.715,-3.175) C26(-6.985,-3.175) C27(-8.255,-3.175) C28(-9.525,-3.175) C29(-10.795,-3.175) C30(-12.065,-3.175) C31(-13.335,-3.175) C32(-14.605,-3.175) C33(-15.875,-3.175) C34(-17.145,-3.175) C35(-18.415,-3.175) C36(-19.685,-3.175) C37(-20.955,-3.175) C38(-22.225,-3.175) C39(-23.495,-3.175) C40(-24.765,-3.175) D1(24.765,-1.905) D2(23.495,-1.905) D3(22.225,-1.905) D4(20.955,-1.905) D5(19.685,-1.905) D6(18.415,-1.905) D7(17.145,-1.905) D8(15.875,-1.905) D9(14.605,-1.905) D10(13.335,-1.905) D11(12.065,-1.905) D12(10.795,-1.905) D13(9.525,-1.905) D14(8.255,-1.905) D15(6.985,-1.905) D16(5.715,-1.905) D17(4.445,-1.905) D18(3.175,-1.905) D19(1.905,-1.905) D20(0.635,-1.905) D21(-0.635,-1.905) D22(-1.905,-1.905) D23(-3.175,-1.905) D24(-4.445,-1.905) D25(-5.715,-1.905) D26(-6.985,-1.905) D27(-8.255,-1.905) D28(-9.525,-1.905) D29(-10.795,-1.905) D30(-12.065,-1.905) D31(-13.335,-1.905) D32(-14.605,-1.905) D33(-15.875,-1.905) D34(-17.145,-1.905) D35(-18.415,-1.905) D36(-19.685,-1.905) D37(-20.955,-1.905) D38(-22.225,-1.905) D39(-23.495,-1.905) D40(-24.765,-1.905) E1(24.765,-0.635) E2(23.495,-0.635) E3(22.225,-0.635) E4(20.955,-0.635) E5(19.685,-0.635) E6(18.415,-0.635) E7(17.145,-0.635) E8(15.875,-0.635) E9(14.605,-0.635) E10(13.335,-0.635) E11(12.065,-0.635) E12(10.795,-0.635) E13(9.525,-0.635) E14(8.255,-0.635) E15(6.985,-0.635) E16(5.715,-0.635) E17(4.445,-0.635) E18(3.175,-0.635) E19(1.905,-0.635) E20(0.635,-0.635) E21(-0.635,-0.635) E22(-1.905,-0.635) E23(-3.175,-0.635) E24(-4.445,-0.635) E25(-5.715,-0.635) E26(-6.985,-0.635) E27(-8.255,-0.635) E28(-9.525,-0.635) E29(-10.795,-0.635) E30(-12.065,-0.635) E31(-13.335,-0.635) E32(-14.605,-0.635) E33(-15.875,-0.635) E34(-17.145,-0.635) E35(-18.415,-0.635) E36(-19.685,-0.635) E37(-20.955,-0.635) E38(-22.225,-0.635) E39(-23.495,-0.635) E40(-24.765,-0.635) F1(24.765,0.635) F2(23.495,0.635) F3(22.225,0.635) F4(20.955,0.635) F5(19.685,0.635) F6(18.415,0.635) F7(17.145,0.635) F8(15.875,0.635) F9(14.605,0.635) F10(13.335,0.635) F11(12.065,0.635) F12(10.795,0.635) F13(9.525,0.635) F14(8.255,0.635) F15(6.985,0.635) F16(5.715,0.635) F17(4.445,0.635) F18(3.175,0.635) F19(1.905,0.635) F20(0.635,0.635) F21(-0.635,0.635) F22(-1.905,0.635) F23(-3.175,0.635) F24(-4.445,0.635) F25(-5.715,0.635) F26(-6.985,0.635) F27(-8.255,0.635) F28(-9.525,0.635) F29(-10.795,0.635) F30(-12.065,0.635) F31(-13.335,0.635) F32(-14.605,0.635) F33(-15.875,0.635) F34(-17.145,0.635) F35(-18.415,0.635) F36(-19.685,0.635) F37(-20.955,0.635) F38(-22.225,0.635) F39(-23.495,0.635) F40(-24.765,0.635) G1(24.765,1.905) G2(23.495,1.905) G3(22.225,1.905) G4(20.955,1.905) G5(19.685,1.905) G6(18.415,1.905) G7(17.145,1.905) G8(15.875,1.905) G9(14.605,1.905) G10(13.335,1.905) G11(12.065,1.905) G12(10.795,1.905) G13(9.525,1.905) G14(8.255,1.905) G15(6.985,1.905) G16(5.715,1.905) G17(4.445,1.905) G18(3.175,1.905) G19(1.905,1.905) G20(0.635,1.905) G21(-0.635,1.905) G22(-1.905,1.905) G23(-3.175,1.905) G24(-4.445,1.905) G25(-5.715,1.905) G26(-6.985,1.905) G27(-8.255,1.905) G28(-9.525,1.905) G29(-10.795,1.905) G30(-12.065,1.905) G31(-13.335,1.905) G32(-14.605,1.905) G33(-15.875,1.905) G34(-17.145,1.905) G35(-18.415,1.905) G36(-19.685,1.905) G37(-20.955,1.905) G38(-22.225,1.905) G39(-23.495,1.905) G40(-24.765,1.905) H1(24.765,3.175) H2(23.495,3.175) H3(22.225,3.175) H4(20.955,3.175) H5(19.685,3.175) H6(18.415,3.175) H7(17.145,3.175) H8(15.875,3.175) H9(14.605,3.175) H10(13.335,3.175) H11(12.065,3.175) H12(10.795,3.175) H13(9.525,3.175) H14(8.255,3.175) H15(6.985,3.175) H16(5.715,3.175) H17(4.445,3.175) H18(3.175,3.175) H19(1.905,3.175) H20(0.635,3.175) H21(-0.635,3.175) H22(-1.905,3.175) H23(-3.175,3.175) H24(-4.445,3.175) H25(-5.715,3.175) H26(-6.985,3.175) H27(-8.255,3.175) H28(-9.525,3.175) H29(-10.795,3.175) H30(-12.065,3.175) H31(-13.335,3.175) H32(-14.605,3.175) H33(-15.875,3.175) H34(-17.145,3.175) H35(-18.415,3.175) H36(-19.685,3.175) H37(-20.955,3.175) H38(-22.225,3.175) H39(-23.495,3.175) H40(-24.765,3.175) J1(24.765,4.445) J2(23.495,4.445) J3(22.225,4.445) J4(20.955,4.445) J5(19.685,4.445) J6(18.415,4.445) J7(17.145,4.445) J8(15.875,4.445) J9(14.605,4.445) J10(13.335,4.445) J11(12.065,4.445) J12(10.795,4.445) J13(9.525,4.445) J14(8.255,4.445) J15(6.985,4.445) J16(5.715,4.445) J17(4.445,4.445) J18(3.175,4.445) J19(1.905,4.445) J20(0.635,4.445) J21(-0.635,4.445) J22(-1.905,4.445) J23(-3.175,4.445) J24(-4.445,4.445) J25(-5.715,4.445) J26(-6.985,4.445) J27(-8.255,4.445) J28(-9.525,4.445) J29(-10.795,4.445) J30(-12.065,4.445) J31(-13.335,4.445) J32(-14.605,4.445) J33(-15.875,4.445) J34(-17.145,4.445) J35(-18.415,4.445) J36(-19.685,4.445) J37(-20.955,4.445) J38(-22.225,4.445) J39(-23.495,4.445) J40(-24.765,4.445) K1(24.765,5.715) K2(23.495,5.715) K3(22.225,5.715) K4(20.955,5.715) K5(19.685,5.715) K6(18.415,5.715) K7(17.145,5.715) K8(15.875,5.715) K9(14.605,5.715) K10(13.335,5.715) K11(12.065,5.715) K12(10.795,5.715) K13(9.525,5.715) K14(8.255,5.715) K15(6.985,5.715) K16(5.715,5.715) K17(4.445,5.715) K18(3.175,5.715) K19(1.905,5.715) K20(0.635,5.715) K21(-0.635,5.715) K22(-1.905,5.715) K23(-3.175,5.715) K24(-4.445,5.715) K25(-5.715,5.715) K26(-6.985,5.715) K27(-8.255,5.715) K28(-9.525,5.715) K29(-10.795,5.715) K30(-12.065,5.715) K31(-13.335,5.715) K32(-14.605,5.715) K33(-15.875,5.715) K34(-17.145,5.715) K35(-18.415,5.715) K36(-19.685,5.715) K37(-20.955,5.715) K38(-22.225,5.715) K39(-23.495,5.715) K40(-24.765,5.715)
  round 5.8 hole 2.7: M1(31.5,2) M3(-31.51,2)
  round 0.97 hole 1.27 unplated: MH1(-27.18,0) MH2(27.18,-3.05)
  silkscreen extent -28.73,-6.57 28.73,6.66, body extent -28.73,-6.58 28.73,6.66, height 6.55
C_14-1210 [mm]
  rect 1.6x2.7 smd: 1(-1.4,0) 2(1.4,0)
  silkscreen extent -0.3,-1.25 0.3,1.25, body extent -1.57,-1.25 1.63,1.25, height 2.5
C_0402 [mm] "Capacitor 0402"
  rrect50% 0.6x0.65 smd: 1(-0.5,0) 2(0.5,0)
  silkscreen extent 0,-0.2 0,0.2, body extent -0.5,-0.3 0.5,0.3, height 0.2
C_0805 [mm] "Capacitor 0805"
  rrect50% 1.3x1.5 smd: 1(-1,0) 2(1,0)
  silkscreen extent -0.15,-0.67 0.15,0.67, body extent -1,-0.62 1,0.63, height 0.59
C_ERA-0402 [mm]
  rect 0.5x0.6 smd: 1(-0.5,0) 2(0.5,0)
  body extent -0.5,-0.3 0.5,0.3, height 0.2
C_ERA-0603 [mm]
  rect 1.1x1 smd: 1(-0.85,0) 2(0.85,0)
  body extent -0.8,-0.4 0.8,0.4, height 0.3
C_ERA-0805 [mm]
  rect 1.3x1.5 smd: 1(-0.95,0) 2(0.95,0)
  body extent -0.94,-0.62 1.06,0.63, height 0.78
C_ERA-2220 [mm] "2220 SMD"
  rect 1.1x5.45 smd: 1(-2.85,0) 2(2.85,0)
  silkscreen extent -1.95,-2.62 1.95,2.63, body extent -3.05,-2.7 3.05,2.7, height 1.8
CAP-1206 [mm] "Chip Capacitor, 2-Leads, Body 1206, IPC Medium Density"
  rect 1.35x1.85 smd: 1(-1.425,0) 2(1.425,0)
  silkscreen extent -0.35,-0.82 0.35,0.82, body extent -1.7,-0.9 1.7,0.9, height 1.8
CAPC0201 [mm] "Chip Capacitor, Body 0.6x0.3mm, Height 0.33mm, IPC Medium Density"
  rrect50% 0.45x0.4 smd mask+0.064: 1(-0.35,0) 2(0.35,0)
  body extent -0.3,-0.15 0.3,0.15, height 0.29
DCA48_6P4X3P6 [mm]
  rect 1.461x0.27 smd mask+0.076: 1(-3.775,5.75) 2(-3.775,5.25) 3(-3.775,4.75) 4(-3.775,4.25) 5(-3.775,3.75) 6(-3.775,3.25) 7(-3.775,2.75) 8(-3.775,2.25) 9(-3.775,1.75) 10(-3.775,1.25) 11(-3.775,0.75) 12(-3.775,0.25) 13(-3.775,-0.25) 14(-3.775,-0.75) 15(-3.775,-1.25) 16(-3.775,-1.75) 17(-3.775,-2.25) 18(-3.775,-2.75) 19(-3.775,-3.25) 20(-3.775,-3.75) 21(-3.775,-4.25) 22(-3.775,-4.75) 23(-3.775,-5.25) 24(-3.775,-5.75) 25(3.775,-5.75) 26(3.775,-5.25) 27(3.775,-4.75) 28(3.775,-4.25) 29(3.775,-3.75) 30(3.775,-3.25) 31(3.775,-2.75) 32(3.775,-2.25) 33(3.775,-1.75) 34(3.775,-1.25) 35(3.775,-0.75) 36(3.775,-0.25) 37(3.775,0.25) 38(3.775,0.75) 39(3.775,1.25) 40(3.775,1.75) 41(3.775,2.25) 42(3.775,2.75) 43(3.775,3.25) 44(3.775,3.75) 45(3.775,4.25) 46(3.775,4.75) 47(3.775,5.25) 48(3.775,5.75)
  rect 3.6x6.4 smd paste-3.187 mask-3.188: EPAD(0,0)
  silkscreen extent -3.23,-6.43 3.23,6.43
DIOM1005X07L_BLUE [mm] "Molded Diode, 2-Leads, Body 1.0x0.5mm, IPC High Density"
  rect 0.7x0.5 smd: 1(0.55,0) 2(-0.55,0)
  silkscreen extent -1.15,-0.45 0.75,0.45, body extent -0.5,-0.25 0.51,0.25, height 0.45
DIOM1005X07L_GREEN [mm] "Molded Diode, 2-Leads, Body 1.0x0.5mm, IPC High Density"
  rect 0.7x0.5 smd: 1(0.55,0) 2(-0.55,0)
  silkscreen extent -1.15,-0.45 0.75,0.45, body extent -0.5,-0.25 0.51,0.25, height 0.45
DIOM1005X07L_ORANGE [mm] "Molded Diode, 2-Leads, Body 1.0x0.5mm, IPC High Density"
  rect 0.7x0.5 smd: 1(0.55,0) 2(-0.55,0)
  silkscreen extent -1.15,-0.45 0.75,0.45, body extent -0.5,-0.25 0.51,0.25, height 0.45
DIOM1005X07L_RED [mm] "Molded Diode, 2-Leads, Body 1.0x0.5mm, IPC High Density"
  rect 0.7x0.5 smd: 1(0.55,0) 2(-0.55,0)
  silkscreen extent -1.15,-0.45 0.75,0.45, body extent -0.5,-0.25 0.51,0.25, height 0.45
DIOM5226X23L [mm] "Molded Diode, 2-Leads, Body 5.2x2.6mm, IPC High Density"
  rect 2.5x1.7 smd: 1(2,0) 2(-2,0)
  silkscreen extent -3.57,-1.5 2.8,1.52, body extent -2.8,-1.46 2.79,1.46, height 2.3
DSN2_0603 [mm]
  rect 0.52x0.7 smd: 1(-0.64,0)
  rect 1.05x0.7 smd: 2(0.275,0)
  silkscreen extent -1.4,-0.75 0.8,0.75, body extent -0.8,-0.4 0.8,0.4, height 0.31
DX07S024XJ1R1100 [mm]
  rect 0.33x1.13 smd: A1(0.85,0.66) A2(1.35,0.66) A3(1.85,0.66) A4(2.35,0.66) A5(2.85,0.66) A6(3.35,0.66) A7(3.85,0.66) A8(4.35,0.66) A9(4.85,0.66) A10(5.35,0.66) A11(5.85,0.66) A12(6.35,0.66)
  round 0.65 hole 0.4: B1(6.4,-0.65) B2(6,-1.35) B3(5.2,-1.35) B4(4.8,-0.65) B5(4.4,-1.35) B6(4,-0.65) B7(3.2,-0.65) B8(2.8,-1.35) B9(2.4,-0.65) B10(2,-1.35) B11(1.2,-1.35) B12(0.8,-0.65)
  round 0 hole 0.8 unplated: M(0,0)
  round 0 hole 1 unplated: M(7.2,0)
  round 2.1 hole 1.6: M1(-1,-1.4) M2(8.2,-1.4) M3(-1,-4.4) M4(8.2,-4.4)
  body extent -1.09,-8.85 8.31,0.91, height 3.42
ER-CON10HT-1_BTM [mm]
  rect 0.3x1.4 smd: 1(-2.25,-0.7) 2(-1.75,-0.7) 3(-1.25,-0.7) 4(-0.75,-0.7) 5(-0.25,-0.7) 6(0.25,-0.7) 7(0.75,-0.7) 8(1.25,-0.7) 9(1.75,-0.7) 10(2.25,-0.7)
  rect 2.65x2 smd: M1(-4.025,-1.95) M2(4.025,-1.95)
  body extent -5.25,-5.28 5.25,-0.38, height 1.85